# Altium PCB PCB1.PcbDoc (part 2 of 2)
Units mm, origin at the board's own origin, x right, y up, seen from the top; angles counter-clockwise.
Board outline 450.34 x 151.61 mm, 2 copper layers (Top Layer, Bottom Layer); 123 components, 109 nets, 481 pads, 178 vias.
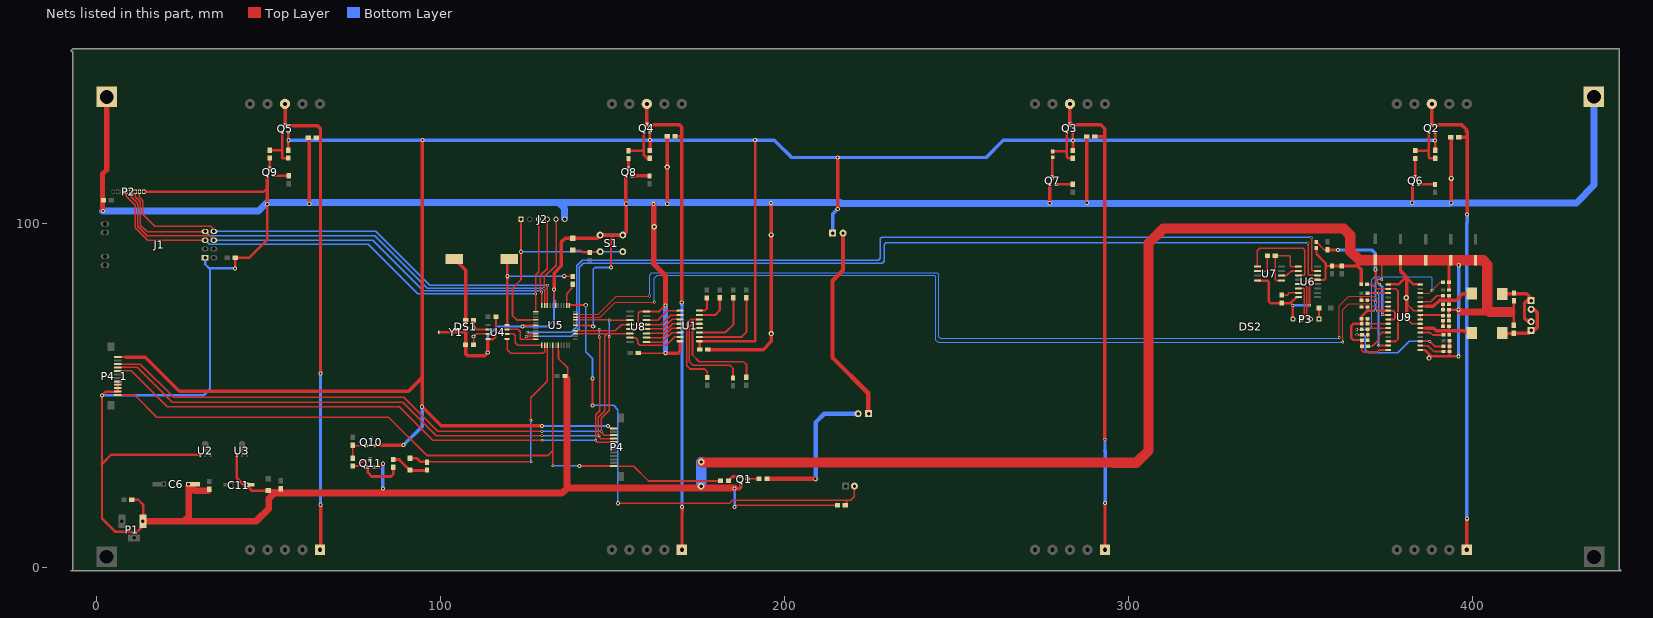
[diagram p2: the nets of this part, all layers, seen from the top]

## Via types
v1: diameter 1.2, hole 0.6, Top Layer to Bottom Layer, 71 vias
v2: diameter 0.8, hole 0.5, Top Layer to Bottom Layer, 52 vias
v3: diameter 1.27, hole 0.711, Top Layer to Bottom Layer, 37 vias
v4: diameter 1.5, hole 0.711, Top Layer to Bottom Layer, 8 vias
v5: diameter 2, hole 1, Top Layer to Bottom Layer, 6 vias
v6: diameter 0.8, hole 0.6, Top Layer to Bottom Layer, 4 vias

## Nets (pads, with @x,y where several pads share a name; then routed paths per layer and width w, separated by ;. In a path a pad name is that pad's centre, name@x,y a point inside that pad or via, vN(x,y) a via of type N, cw(c..) or ccw(c..) an arc to the next point about the centre after c; other vN are vias at no path point) (continued)
GND: BT1.2 C1.2 C2.1 C3.1 C4.1 C5.1 C6.2 C7.1 C8.1 C9.2 C10.1 C11.2 C12.1 C13.1 C14.2 C15.2 C17.2 C18.1 C19.2 C20.2 C21.2 C22.2 C23.2 C24.2 C25.2 C26.2 C27.2 C28.2 C29.1 C30.1 C31.2 C33.2 C35.1 C36.1 C37.2 C38.1 C39.1 C41.2 C42.2 C43.1 C44.1 C45.1 C46.1 C48.2 C49.1 J1.1 J2.6 P1.1 P2.8 P3.4 P4_1.2 P4_1.3 P4_1.4 P4_1.5 pad.0 pad.3 Q1.1 Q6.2 Q7.2 Q8.2 Q9.2 Q11.1 R22.1 R33.2 S1.2 U1.8 U2.1 U3.1 U4.4 U5.6 U5.18 U5.28 U5.39 U6.8 U6.13 U7.4 U8.8 U8.13 U9.1 U9.7 U9.9 U9.16 U9.17 U9.23 U9.26 U9.32 Y1.3 | length 2055
  Top Layer w0.4: 126.136,70.333 127.751,70.333 U5.6@127.764,70.32 ; 133.06,79.019 133.06,77.938 133.528,77.47 U5.39@133.528,76.073 ; 134.29,62.89 134.329,62.93 U5.18@134.329,64.554 ; U5.28@139.321,70.32 141.287,70.32 141.3,70.333 ; 185.979,18.009 R22.1@215.392,18.009
  Top Layer w0.5: C18.1@157.531,62.255 v1(165.43,62.255) ; C17.2@344.475,76.86 C17.2@344.678,76.86 ; C35.1@367.665,70.917 C35.1@367.69,70.891 ; C45.1@367.729,65.901 367.665,65.837 367.665,64.16 367.767,64.059 367.767,64.211 C46.1@367.741,64.237 ; C46.1@367.831,64.262 367.831,63.004 368.249,62.586 372.237,62.586 372.821,63.17 U9.16@375.436,63.17 ; 370.307,77.648 C38.1@369.353,77.648 371.119,77.648 v6(371.754,77.013) ; 373.532,88.141 373.558,88.115 ; v2(373.558,83.617) 373.558,88.115 ; 373.558,88.141 373.558,88.115 ; U9.9@375.387,72.06 377.088,72.06 377.393,72.365 377.393,74.143 376.936,74.6 U9.7@375.436,74.6 ; v4@380.771,72.314 382.295,70.79 U9.23@384.736,70.79 ; 380.873,76.53 382.803,74.6 U9.26@384.736,74.6 383.667,74.6 ; U9.17@384.736,63.17 386.182,63.17 386.448,62.903 ; 393.243,61.544 C43.1@393.243,62.738
  Top Layer w0.508: v1(123.916,69.977) 123.916,70.307 123.928,70.32 126.136,70.32 ; 133.06,79.019 v1(133.06,80.797) ; 134.329,62.93 134.329,60.706 137.022,58.014 137.022,56.109 137.047,56.083 137.047,55.677 ; 137.022,55.372 137.022,55.601 ; 141.287,70.32 144.158,70.32 v1(144.45,70.028) ; v1(149.606,87.173) 149.606,95.453 150.647,96.495 ; U8.13@155.092,69.317 157.124,69.317 157.531,69.723 157.531,73.812 158.09,74.371 U8.8@159.931,74.371 163.678,74.371 v1(165.43,76.124) ; v1@162.001,105.562 v1(162.001,105.642)
  Top Layer w0.6: U4.4@113.741,66.294 115.367,66.294 116.194,67.121 C22.2@116.194,72.796 ; Q1.1@187.3,24.409 Q1.1@187.3,24.663 ; v2@352.654,76.175 352.519,76.31 352.519,83.202 352.908,83.591 U6.13@354.914,83.591 ; U6.13@354.762,83.566 356.845,83.566 357.2,83.922 357.2,87.198 357.226,87.224 357.581,87.579 359.054,87.579 C14.2@359.105,87.579 ; C14.2@359.105,87.554 C14.2@359.232,87.554
  Top Layer w0.635: v1@113.844,62.319 113.857,62.332 113.857,62.371 v1@113.857,62.535
  Top Layer w0.7: 1.651,29.972 1.727,30.048 ; v1@2.159,103.556 v1@2.159,103.657 ; pad.0@2.979,136.837 pad.0@2.997,136.855 ; P4_1.2@6.274,51.232 6.299,51.257 P4_1.3@6.299,52.089 P4_1.4@6.299,53.089 P4_1.5@6.299,54.089 ; P4_1.2@6.299,51.089 2.88,51.089 v1(1.778,49.987) 1.727,49.936 1.727,30.048 ; C7.1@10.403,19.315 C7.1@10.403,19.66 12.243,19.66 13.741,18.161 P1.1@13.741,13.487 ; P1.1@13.437,13.487 P1.1@13.64,13.487 ; P1.1@13.64,13.716 P1.1@13.64,13.487 ; P1.1@13.665,12.903 13.665,13.411 P1.1@13.665,13.487 ; P1.1@13.741,13.233 13.741,13.411 P1.1@13.741,13.487 ; P1.1@13.843,13.487 P1.1@13.741,13.487 ; P2.8@13.894,109.144 48.666,109.144 49.657,110.134 ; C6.2@26.888,23.724 C6.2@26.888,24.155 C6.2@27.548,23.495 ; U2.1@30.239,32.717 4.396,32.717 1.727,30.048 ; C10.1@32.588,22.682 C10.1@32.918,22.682 ; v1(40.411,86.868) 40.411,89.992 C24.2@40.437,90.018 ; C24.2@40.411,90.018 40.462,90.068 C24.2@40.462,89.637 ; C24.2@40.538,89.916 44.475,89.916 49.722,95.163 v3(49.722,105.512) ; Y1.3@99.532,68.275 107.355,68.275 107.442,68.275 ; U7.4@337.425,83.312 340.335,83.312 340.716,82.931 340.716,77.343 341.274,76.784 C17.2@344.653,76.784 ; C17.2@344.272,76.886 C17.2@344.576,76.886 ; C17.2@344.526,76.784 C17.2@344.653,76.784 ; 347.167,76.733 v2@347.726,76.175 ; P3.4@347.726,72.136 v2@347.726,76.124 ; U6.8@349.326,78.511 348.818,78.511 347.091,76.784 C17.2@344.653,76.784 ; C29.1@354.584,92.825 354.584,91.034 357.226,88.392 357.226,87.224 357.226,86.97 ; C45.1@367.665,66.065 365.277,66.065 364.642,66.7 364.642,70.104 365.328,70.79 C35.1@367.716,70.79 ; R33.2@367.679,72.263 367.679,72.912 369.418,74.651 C39.1@369.418,75.794 ; C35.1@367.716,70.764 C35.1@367.716,70.79 ; R33.2@367.716,72.263 C35.1@367.716,70.79 ; C35.1@367.729,70.79 C35.1@367.716,70.79 ; 369.646,74.6 U9.7@375.436,74.6 373.101,74.6 ; U9.1@375.183,82.245 375.209,82.22 U9.1@375.436,82.22 378.46,82.22 380.187,83.947 380.187,84.633 ; 381.025,83.972 382.778,82.22 U9.32@384.736,82.22 ; C48.2@393.09,82.829 393.09,84.125 ; C44.1@411.963,70.333 C33.2@411.963,77.445 ; 1.727,30.048 1.727,14.199 5.512,10.414 12.04,10.414 13.64,12.014 13.64,13.411 P1.1@13.64,13.487 ; P1.1@13.64,13.487 P1.1@13.665,13.487 ; P1.1@13.665,13.487 P1.1@13.741,13.487
  Top Layer w0.762: C22.2@116.219,72.796 C22.2@116.219,72.949 ; v1(133.06,80.797) 133.071,80.808 v1@133.161,80.899 ; C20.2@138.063,95.656 138.089,95.682 C20.2@138.724,95.682
  Top Layer w0.8: U3.1@40.907,32.666 40.907,25.971 42.774,24.105 C11.2@43.637,24.105 ; C11.2@43.637,23.952 C11.2@43.637,24.105 ; C11.2@43.677,23.952 45.353,22.276 C9.2@49.682,22.276 ; C11.2@43.764,24.105 C11.2@43.637,24.105 ; C9.2@49.682,22.377 50.027,22.377 C8.1@53.38,22.377 ; 386.385,62.84 387.883,61.341 v1(395.834,61.341) ; C36.1@393.04,73.152 393.051,73.14 C36.1@393.051,73.089 ; C41.2@393.051,71.628 C36.1@393.051,73.089 ; C36.1@393.051,73.152 C37.2@393.051,74.879 v1(395.834,74.879) ; 393.077,84.848 C48.2@393.077,82.829 ; C36.1@393.116,73.025 C36.1@393.051,73.089 ; C31.2@393.116,80.543 393.077,80.582 C31.2@393.077,80.594 C48.2@393.077,82.829 ; C42.2@393.204,65.811 393.204,62.879 C43.1@393.268,62.814 ; C21.2@393.954,88.595 393.077,87.718 C48.2@393.077,82.829 ; v1(395.91,87.782) 395.961,87.833 v1@395.961,87.991 ; 410.921,74.168 411.277,74.168 411.861,74.752
  Top Layer w1: v3(49.722,105.512) Q9.2@49.722,113.741 ; C5.1@61.787,124.866 61.94,124.714 v3(61.94,105.639) ; Q11.1@80.837,29.21 82.539,29.21 v1@83.352,30.023 ; BT1.2@104.18,89.535 107.406,86.309 C12.1@107.406,71.831 ; C12.1@107.406,71.806 C12.1@107.406,71.831 ; v1(113.806,62.408) 113.806,65.851 ; v1@113.894,62.408 113.857,62.371 112.979,61.493 107.925,61.493 107.355,62.063 C13.1@107.355,64.719 107.355,68.275 107.355,71.78 C12.1@107.406,71.831 ; v1@133.071,80.721 133.071,80.808 133.071,85.522 135.153,87.605 135.153,94.539 136.271,95.656 138.063,95.656 C20.2@138.47,95.656 145.633,95.656 146.496,96.52 S1.2@153.024,96.52 ; 137.022,54.788 137.022,55.372 ; S1.2@153.126,96.571 153.989,97.434 v3(153.989,105.664) ; v3@153.964,105.689 Q8.2@153.964,113.792 ; v1(165.43,62.255) v1@165.557,62.255 ; v1@165.557,62.281 169.164,62.281 169.672,62.789 U1.8@169.672,65.405 ; v1(165.953,105.664) C4.1@165.953,125.247 ; v1@185.547,22.835 186.842,22.835 187.3,23.292 Q1.1@187.3,24.409 ; 188.341,63.297 C1.2@177.724,63.297 193.802,63.297 196.164,65.659 v1@196.164,105.791 ; v3@277.103,105.816 Q7.2@277.103,111.277 ; 287.847,106.68 C3.1@287.847,125.197 ; C3.1@287.898,125.07 C3.1@287.974,125.146 ; C14.2@359.029,87.605 C14.2@359.054,87.579 ; C14.2@359.105,87.579 C15.2@361.95,87.579 366.09,87.579 366.827,88.316 ; 366.598,87.554 367.602,86.55 C30.1@367.602,82.22 ; C28.2@378.993,89.205 378.993,86.131 380.771,84.353 v4@380.771,72.314 ; v3@382.488,106.045 Q6.2@382.488,111.277 ; C2.1@393.664,124.993 393.765,124.892 v3(393.765,105.918)
  Top Layer w1.27: C5.1@61.686,124.866 C5.1@61.787,124.866 ; C15.2@361.95,87.579 C15.2@362.052,87.579
  Top Layer w1.5: v1@1.905,103.657 1.905,114.351 3.113,115.559 pad.0@3.113,136.703 ; v1@162.027,105.562 162.027,88.113 165.43,84.709 v1(165.43,76.124)
  Top Layer w2: P1.1@13.629,13.411 13.64,13.411 13.665,13.411 13.741,13.411 25.578,13.411 ; C6.2@26.949,23.724 26.949,14.783 25.578,13.411 ; C6.2@27.548,23.495 28.767,22.276 C10.1@32.588,22.276 ; 135.331,21.641 118.008,21.641 51.816,21.641 50.19,20.015 50.19,17.145 46.457,13.411 25.578,13.411 ; 135.89,22.047 136.83,22.987 ; 136.83,54.788 136.83,23.098 v1@185.471,23.098 ; v1@396.062,74.701 396.57,74.193 404.978,74.193
  Top Layer w3: v5@176.124,30.505 295.478,30.505 ; 295.478,30.429 302.26,30.429 305.791,33.96 305.791,94.183 310.058,98.45 362.56,98.45 364.439,96.571 364.439,91.872 367.106,89.205 378.993,89.205 C27.2@386.385,89.205 C21.2@393.573,89.205 403.022,89.205 404.216,88.011 404.216,74.955 404.978,74.193 410.921,74.193
  Bottom Layer w0.5: v6(371.754,74.549) v6(371.754,77.013) 371.739,77.028 371.739,82.916 372.516,83.693 373.482,83.693 v2(373.558,83.617)
  Bottom Layer w0.508: v1(123.916,69.977) 131.155,69.977 133.06,71.882 v1(133.06,80.797) ; v1(144.45,70.028) 144.45,86.639 144.958,87.147 v1@149.606,87.147 ; v1(149.606,87.173) v1@149.606,87.147 ; v1@149.631,87.147 v1@149.606,87.147
  Bottom Layer w0.635: v1(113.806,62.408) 113.806,67.234 116.55,69.977 v1(123.916,69.977)
  Bottom Layer w0.7: v1(1.778,49.987) 31.191,49.987 33.122,51.918 33.122,86.69 33.096,86.716 ; J1.1@31.699,89.992 J1.1@31.725,89.967 ; J1.1@31.725,90.145 J1.1@31.725,89.967 ; J1.1@31.763,89.929 J1.1@31.75,89.941 ; J1.1@31.775,89.941 J1.1@31.75,89.941 ; 32.944,86.868 31.725,88.087 J1.1@31.725,89.941 ; 33.096,86.868 v1(40.411,86.868) ; v1(185.547,17.551) v1(185.547,22.936) ; v2(347.675,76.124) 352.654,76.124 v2@352.679,76.098 ; J1.1@31.725,89.941 J1.1@31.75,89.941 ; J1.1@31.725,89.941 J1.1@31.725,89.967 ; J1.1@31.725,89.967 J1.1@31.75,89.941
  Bottom Layer w0.8: v1(395.834,61.341) v1(395.834,74.879)
  Bottom Layer w1: v1(83.352,22.973) v1(83.352,30.124) ; J2.6@135.738,101.651 J2.6@136.246,101.143 ; J2.6@136.184,101.168 J2.6@136.227,101.125 ; S1.2@146.445,96.545 S1.2@153.049,96.545 ; S1.2@153.1,96.545 S1.2@153.151,96.495 ; v3@393.649,105.943 v3@393.74,105.943 ; v1@395.808,74.854 v1(395.834,74.879) 395.91,74.955 v1(395.91,87.782)
  Bottom Layer w1.5: v1(165.43,62.255) v1(165.43,76.124) v1@165.481,76.175
  Bottom Layer w2: v1@1.854,103.581 47.219,103.581 49.657,106.019 165.953,106.019 216.276,106.019 216.53,105.765 382.462,105.765 393.471,105.765 393.649,105.943 v3@393.649,105.893 ; 134.595,105.765 136.093,104.267 J2.6@136.093,101.371 ; v3(393.765,105.918) 430.073,105.918 435.254,111.1 pad.3@435.254,137.058
  Bottom Layer w3: v5@175.844,23.647 v5(175.844,30.632)
  other v1: 2.057,103.556 196.139,105.816
  other v2: 352.654,76.149
  other v3: 277.078,105.791 287.898,105.918 382.462,105.943
  other v4: 387.299,60.833 196.164,67.945 380.924,72.187 380.695,78.359 196.164,96.596 162.204,98.984 393.751,113.005 165.964,116.307
  other v5: 175.793,23.597
H595_DAT: P4.4 P4_1.9 U5.25 U8.14 | length 199.6
  Top Layer w0.4: P4_1.9@6.299,58.089 12.041,58.089 22.123,48.006 89.154,48.006 98.857,38.303 117.932,38.303 v2(129.565,38.303) ; U5.25@139.295,67.92 U8.14@155.131,67.92 ; v2@145.948,38.049 146.583,37.414 148.158,37.414 ; v2@145.948,38.278 145.948,43.663 147.767,45.481 ; v2@146.075,38.252 146.101,38.278 v2(146.177,38.278) ; 147.803,45.481 147.803,67.234 148.463,67.894 ; 148.158,37.411 P4.4@150.393,37.411 ; U8.14@155.245,67.92 U8.14@155.397,68.072
  Bottom Layer w0.4: v2(129.565,38.303) 146.152,38.303 v2(146.177,38.278)
H595_SCLK: P4.3 P4_1.10 U5.30 U8.11 | length 202.2
  Top Layer w0.4: P4_1.10@6.299,59.089 12.895,59.089 22.581,49.403 63.932,49.403 89.332,49.403 99.212,39.522 v2(129.54,39.522) ; U5.30@139.295,71.92 U5.30@139.319,71.92 ; U5.30@139.319,71.907 149.073,71.907 v2(149.123,71.857) v2@149.149,71.831 ; v2@149.098,67.056 v2(149.123,67.056) 149.123,45.593 149.047,45.593 146.787,43.332 146.787,39.243 147.65,38.379 P4.3@150.393,38.379 ; v2@149.123,71.831 v2@149.149,71.831 ; v2@149.174,71.806 v2@149.149,71.831 ; U8.11@155.131,71.831 v2@149.149,71.831
  Bottom Layer w0.4: v2(129.54,39.522) 146.837,39.522 v2(146.863,39.497) ; v2(149.123,67.056) v2(149.123,71.857)
H595_ST: P4.5 P4_1.8 U5.26 U8.12 | length 202.9
  Top Layer w0.4: P4_1.8@6.299,57.089 10.297,57.089 20.65,46.736 88.138,46.736 97.892,36.982 v2(129.642,36.982) ; U5.26@139.295,68.72 148.171,68.72 148.184,68.732 ; 146.177,68.758 v2(146.177,69.19) ; v2@146.253,66.929 v2(146.228,66.929) 146.348,66.808 146.348,45.51 145.212,44.374 v2(145.212,36.957) 145.212,36.881 145.669,36.424 P4.5@149.631,36.424 ; 147.98,68.732 148.184,68.732 ; P4.5@149.631,36.411 P4.5@150.393,36.411 ; U8.12@155.296,70.561 U8.12@155.131,70.561 152.679,70.561 150.851,68.732 148.184,68.732
  Bottom Layer w0.4: v2(129.642,36.982) 145.186,36.982 v2(145.212,36.957) ; v2(146.177,69.19) 146.177,66.98 v2(146.228,66.929)
IRQ: J1.8 P2.7 U5.42 | length 139.4
  Top Layer w0.4: P2.7@12.624,109.144 12.624,107.544 13.589,106.578 13.589,102.591 17.018,99.162 33.274,99.162 34.138,98.298 J1.8@34.138,97.511 ; U5.42@131.129,76.111 131.129,78.348 131.14,78.359 ; 131.166,78.359 v2(131.166,81.966)
  Bottom Layer w0.4: J1.8@34.239,97.612 81.305,97.612 97.003,81.915 131.115,81.915 v2(131.166,81.966)
MISO: J1.7 J2.5 P2.6 U5.43 | length 162.4
  Top Layer w0.4: P2.6@11.354,109.144 11.354,107.721 12.878,106.197 12.878,99.466 14.808,97.536 J1.7@31.725,97.536 ; v2@130.124,80.975 130.124,81.051 v2(130.15,81.026) ; v2@130.15,81.001 v2(130.15,81.026) ; v2@130.162,81.013 v2(130.15,81.026) ; v2@130.2,80.924 130.2,84.379 133.644,87.822 133.644,101.143 J2.5@133.644,101.168 J2.5@133.629,101.154 ; U5.43@130.327,75.997 U5.43@130.327,76.111 ; U5.43@130.329,76.454 U5.43@130.329,76.111 130.369,76.15 v2@130.369,80.807 ; J2.5@133.629,101.128 J2.5@133.629,101.154 ; J2.5@133.629,101.194 J2.5@133.629,101.154
  Top Layer w0.762: J2.5@133.618,101.117 133.629,101.128 133.644,101.143 J2.5@133.669,101.168
  Bottom Layer w0.4: J1.7@31.699,97.612 32.969,96.342 80.975,96.342 96.266,81.051 v2@130.15,81.051
MOSI: J1.6 J2.4 P2.5 U5.44 | length 162.9
  Top Layer w0.4: P2.5@10.084,109.144 10.084,107.798 12.059,105.823 12.059,99.143 14.884,96.317 33.02,96.317 J1.6@34.239,95.098 ; v2@129.464,79.985 v2@129.515,79.934 ; v2@129.476,79.997 v2@129.515,79.959 ; U5.44@129.515,76.327 v2@129.515,79.934 ; v2(129.515,80.035) v2@129.515,80.01 ; v2@129.54,79.934 v2@129.515,79.959 ; v2@129.54,79.985 v2@129.515,80.01 ; J2.4@131.089,101.168 J2.4@131.089,101.27 ; J2.4@131.104,101.168 131.104,86.806 129.134,84.836 129.134,80.391 129.502,80.023 v2@129.515,80.01 ; v2@129.515,79.934 v2@129.515,79.959 ; v2@129.515,79.959 v2@129.515,80.01
  Top Layer w0.762: J2.4@131.104,101.168 J2.4@131.104,101.219
  Bottom Layer w0.4: J1.6@34.239,94.564 J1.6@34.239,95.072 80.391,95.072 95.066,80.397 129.153,80.397 v2(129.515,80.035)
MUTE: C38.2 U5.32 U9.5 | length 275.7
  Top Layer w0.35: U5.32@139.295,73.52 145.935,73.52 151.206,78.791 160.731,78.791 v2(160.807,78.867) ; v2(361.239,66.827) 361.239,76.048 ; 361.264,76.048 361.264,76.073 363.957,78.765 370.129,78.765 ; 370.332,78.765 370.129,78.765 ; U9.5@375.39,77.185 U9.5@375.436,77.14 ; U9.5@375.514,77.14 U9.5@375.436,77.14 ; 370.129,78.765 371.373,78.765 372.999,77.14 U9.5@375.436,77.14
  Top Layer w0.4: C38.2@367.653,77.648 367.653,78.65
  Bottom Layer w0.35: v2@160.807,78.816 v2(160.807,78.867) 160.807,84.938 161.468,85.598 244.399,85.598 244.805,85.192 244.805,67.081 245.262,66.624 361.036,66.624 v2(361.239,66.827)
NetBT1_1: BT1.1 R26.2 U4.8 | length 38.8
  Top Layer w0.4: v1(136.042,84.607) 138.506,84.607 R26.2@138.532,84.582
  Top Layer w0.5: U4.8@119.445,70.409 119.445,70.434 119.445,70.688 ; BT1.1@120.029,89.636 120.106,89.713 BT1.1@120.106,89.84
  Top Layer w0.508: U4.8@119.394,70.383 U4.8@119.445,70.434
  Top Layer w0.762: 119.496,70.688 119.496,89.053 BT1.1@120.054,89.611
  Bottom Layer w0.4: v1(119.507,84.607) v1(136.042,84.607)
NetC2_2: C2.2 DS2.1 DS2.8 Q2.3 | length 140.3
  Top Layer w1: DS2.8@388.076,134.696 388.076,129.311 388.838,128.549 396.813,128.549 398.236,127.127 ; C2.2@395.899,124.943 397.982,124.943 ; 398.12,126.67 398.348,126.441 v1(398.348,102.489) ; v1(398.272,14.151) 398.261,14.162 398.261,14.122 398.286,14.097 DS2.1@398.286,5.08
  Bottom Layer w1: v1(398.272,14.151) 398.272,100.076 ; 398.297,100.076 398.348,100.127 v1(398.348,102.489)
NetC3_2: C3.2 DS2.11 DS2.18 Q3.3 | length 141.7
  Top Layer w1: DS2.18@282.967,134.671 282.967,129.34 283.656,128.651 287.847,128.651 ; 287.847,128.626 291.937,128.626 293.13,127.432 293.13,125.197 ; C3.2@290.133,125.197 293.13,125.197 ; DS2.11@293.091,5.182 DS2.11@293.127,5.218 ; DS2.11@293.127,5.131 DS2.11@293.127,5.218 ; v1(293.141,18.669) 293.141,5.232 DS2.11@293.127,5.218 ; v2(293.141,37.262) 293.13,37.273 293.13,104.724 293.13,125.197
  Bottom Layer w1: 293.116,33.934 293.141,33.96 v2(293.141,37.262) ; v1(293.141,18.669) 293.181,18.709 293.181,33.934
NetC4_2: C4.2 DS1.1 DS1.8 Q4.3 | length 141.4
  Top Layer w0.762: C4.2@168.239,125.247 169.915,125.247 169.94,125.273
  Top Layer w1: Q4.3@160.009,128.651 160.034,128.676 DS1.8@160.034,134.671 ; Q4.3@160.263,129.108 160.695,128.676 169.458,128.676 170.194,127.94 170.194,77.013 v1(170.169,76.987) ; DS1.1@170.169,5.004 170.245,5.08 170.245,16.053 ; v1(170.256,17.551) 170.256,16.078 170.282,16.053
  Bottom Layer w1: v1(170.169,76.987) 170.169,76.225 170.296,76.098 ; 170.245,76.098 170.245,17.435 170.256,17.446 v1(170.256,17.551)
NetC5_2: C5.2 DS1.11 DS1.18 Q5.3 | length 139.6
  Top Layer w1: DS1.18@54.878,134.849 54.929,134.798 54.929,129.159 ; Q5.3@55.031,128.727 55.463,128.295 64.353,128.295 65.216,127.432 65.216,57.125 ; DS1.11@64.999,4.877 65.227,5.105 v1(65.227,18.212) ; DS1.11@65.216,4.724 65.318,4.826 DS1.11@65.318,5.131 ; 65.227,57.125 65.253,57.099 v1(65.253,56.363)
  Bottom Layer w1: v1(65.227,18.212) 65.216,18.223 65.216,20.904 65.216,56.326 v1(65.253,56.363)
NetC12_2: C12.2 U4.2 Y1.2 | length 6.6
  Top Layer w0.508: C12.2@109.692,71.882 C12.2@109.717,71.857 ; Y1.2@109.717,69.647 Y1.2@109.717,69.698
  Top Layer w0.635: Y1.2@109.717,69.698 110.276,69.139 U4.2@113.857,69.139
  Top Layer w0.762: Y1.2@109.717,69.698 C12.2@109.717,71.857
NetC13_2: C13.2 U4.3 Y1.1 | length 6.9
  Top Layer w0.508: C13.2@109.666,64.77 109.717,64.821 Y1.1@109.717,67.031 ; Y1.1@109.692,67.005 Y1.1@109.717,67.031 ; Y1.1@109.717,67.107 Y1.1@109.717,67.031 ; U4.3@113.857,67.869 110.555,67.869 Y1.1@109.717,67.031
NetC16_1: C16.1 D4.2 R27.2 | length 11.2
  Top Layer w0.508: C16.1@96.077,28.27 C16.1@96.128,28.27
  Top Layer w0.762: R27.2@86.349,31.369 88.051,31.369 91.251,28.169 95.976,28.169 96.077,28.27 C16.1@96.103,28.296
NetC17_1: C17.1 U6.7 | length 5.2
  Top Layer w0.4: C17.1@344.5,79.121 346.075,79.121 346.735,79.781 U6.7@349.326,79.781 U6.7@349.402,79.781
NetC30_2: C30.2 U9.2 U9.14 | length 27.5
  Top Layer w0.508: C30.2@369.302,82.22 370.688,82.22 371.932,80.975 372.542,80.975 ; 373.101,80.975 372.542,80.975 ; U9.14@375.387,65.659 377.088,65.659 377.596,65.659 378.308,66.37 378.308,80.213 377.571,80.95 U9.2@375.436,80.95 ; U9.2@375.412,80.95 U9.2@375.436,80.95 ; 372.542,80.975 372.567,80.95 U9.2@375.436,80.95
NetC32_2: C32.2 U9.3 U9.15 | length 24.6
  Top Layer w0.508: C32.2@369.379,79.705 U9.3@375.488,79.705 ; v2(372.643,64.44) U9.15@375.436,64.44 U9.15@375.641,64.44 ; U9.3@375.436,79.68 375.539,79.68 U9.3@375.59,79.731
  Bottom Layer w0.508: v2(372.643,64.44) 372.643,74.135 372.662,74.154 372.662,79.712 v2(372.643,79.731)
NetC33_1: C33.1 L1.2 LS1.1 LS2.2 | length 18.5
  Top Layer w1: L1.2@408.589,79.453 412.091,79.453 412.067,79.477 415.671,79.477 416.865,78.283 LS1.1@416.865,77.572 ; LS1.1@416.865,77.495 LS1.1@416.865,77.572 ; LS2.2@416.941,71.399 416.077,71.399 415.036,72.441 415.036,76.733 415.874,77.572 LS1.1@416.865,77.572 ; LS1.1@416.992,77.572 LS1.1@416.865,77.572
NetC34_1: C34.1 L1.1 R32.1 U9.27 | length 19.5
  Top Layer w0.5: R32.1@393.051,76.403 393.051,77.673 ; 393.051,77.939 C34.1@393.051,78.904 ; C34.1@393.051,78.994 C34.1@393.051,78.904 ; C34.1@393.09,78.943 C34.1@393.051,78.904 ; L1.1@399.263,79.502 L1.1@399.669,79.502
  Top Layer w0.7: U9.27@384.736,75.87 386.537,75.87 ; 398.043,79.477 398.069,79.502 L1.1@399.263,79.502
  Top Layer w1: 386.537,75.87 388.544,75.87 390.347,77.673 393.051,77.673 395.275,77.673 397.078,79.477 398.043,79.477 L1.1@398.678,79.477 ; L1.1@399.669,79.553 L1.1@399.689,79.553
NetC34_2: C34.2 U9.28 | length 7.4
  Top Layer w0.4: U9.28@384.736,77.14 387.756,77.14 389.585,78.969 C34.2@391.338,78.969
NetC35_2: C35.2 R33.1 U9.10 | length 7.5
  Top Layer w0.5: C35.2@369.367,70.841 369.379,70.852 C35.2@369.379,71.03 ; C35.2@369.367,71.018 C35.2@369.379,71.03 ; R33.1@369.379,72.263 C35.2@369.379,71.03 ; C35.2@369.404,71.056 C35.2@369.379,71.03 ; C35.2@369.443,70.79 U9.10@375.436,70.79
NetC36_2: C36.2 U9.24 U9.25 | length 8.3
  Top Layer w0.5: U9.25@384.683,73.33 U9.25@384.736,73.33 391.338,73.33 C36.2@391.465,73.203 ; U9.25@384.708,73.254 U9.25@384.746,73.215 ; U9.24@384.736,72.06 384.736,73.205 U9.25@384.746,73.215 ; U9.25@384.81,73.152 U9.25@384.746,73.215 ; U9.25@384.835,73.304 U9.25@384.746,73.215
NetC37_1: C37.1 R32.2 | length 1.5
  Top Layer w0.5: R32.2@391.351,76.403 391.351,74.942 C37.1@391.414,74.879
NetC40_1: C40.1 L2.1 R34.1 U9.22 | length 18.6
  Top Layer w0.7: U9.22@384.736,69.52 386.258,69.52 ; C40.1@393.077,67.628 393.116,67.589 C40.1@393.116,67.412 ; R34.1@393.077,70.079 393.077,68.809 393.077,67.679 C40.1@393.116,67.64
  Top Layer w1: 386.258,69.52 388.62,69.52 389.331,68.809 393.077,68.809 397.485,68.809 398.145,68.148 398.297,67.996 L2.1@399.974,67.996
NetC40_2: C40.2 U9.21 | length 7.1
  Top Layer w0.5: U9.21@384.736,68.25 387.68,68.25 388.391,67.539 C40.2@391.478,67.539 C40.2@391.541,67.539
NetC41_1: C41.1 R34.2 | length 1.5
  Top Layer w0.5: R34.2@391.287,70.18 391.351,70.245 C41.1@391.351,71.628
NetC43_2: C43.2 U9.18 | length 7.5
  Top Layer w0.5: U9.18@384.736,64.44 386.944,64.44 388.645,62.738 C43.2@391.504,62.738 C43.2@391.516,62.738
NetC44_2: C44.2 L2.2 LS1.2 LS2.1 | length 17.7
  Top Layer w1: L2.2@408.589,68.048 408.666,67.97 412.14,67.97 412.267,68.097 416.255,68.097 LS2.1@417.017,68.859 ; LS2.1@416.814,68.859 LS2.1@416.941,68.859 LS2.1@417.017,68.859 ; LS1.2@416.941,74.981 417.855,74.981 418.795,74.041 418.795,69.85 417.805,68.859 LS2.1@417.017,68.859 ; LS2.1@417.043,68.885 LS2.1@417.017,68.859
NetC45_2: C45.2 R30.1 R31.1 U9.11 | length 9.6
  Top Layer w0.5: C45.2@369.418,65.913 369.48,65.976 C45.2@369.48,66.04 ; R30.1@369.455,69.139 369.455,67.603 R31.1@369.48,67.578 ; C45.2@369.468,66.04 C45.2@369.48,66.04 ; R30.1@369.468,69.113 369.824,69.113 370.23,69.52 U9.11@375.436,69.52 U9.11@375.412,69.52 ; R31.1@369.48,67.589 R31.1@369.48,67.578 ; R31.1@369.57,67.488 R31.1@369.48,67.578 ; C45.2@369.48,66.04 R31.1@369.48,67.578
  Top Layer w0.7: C45.2@369.468,65.938 C45.2@369.506,65.938
NetC46_2: C46.2 U9.12 | length 8.8
  Top Layer w0.508: C46.2@369.418,64.262 C46.2@369.531,64.262 370.815,64.262 371.805,65.253 ; 371.78,65.253 372.821,66.294 372.821,67.488 373.583,68.25 U9.12@375.436,68.25 U9.12@375.183,68.25 ; U9.12@375.336,68.275 U9.12@375.463,68.275
NetC48_1: C48.1 R30.2 U9.30 | length 49.4
  Top Layer w0.35: v6(366.268,69.139) R30.2@367.755,69.139 ; U9.30@384.736,79.629 387.375,79.629 390.576,82.829 C48.1@391.377,82.829
  Bottom Layer w0.35: v6(366.268,69.139) 369.697,69.139 370.662,70.104 370.662,82.144 ; 370.637,82.093 370.637,83.541 371.551,84.455 387.858,84.455 388.188,84.125 v2(388.188,80.543)
NetC49_2: C49.2 R31.2 U9.19 | length 35.9
  Top Layer w0.5: v6(366.344,67.589) R31.2@367.78,67.589 ; U9.19@384.736,65.71 387.477,65.71 388.976,64.211 C49.2@391.516,64.211
  Bottom Layer w0.4: v6(366.344,67.589) 368.376,67.589 368.783,67.183 368.783,63.17 369.57,62.382 370.383,62.382 370.535,62.382 378.257,62.382 381.533,65.659 v2@387.452,65.659
  Bottom Layer w0.5: v2@387.528,65.583 v2(387.528,65.634)
NetD1_1: D1.1 D2.2 | length 58.9
  Top Layer w1.27: D2.2@217.032,97.104 D2.2@217.032,97.13 217.032,86.324 213.97,83.261 213.97,60.96 224.358,50.571 ; D1.1@224.155,45.034 D1.1@224.384,44.806 ; D1.1@224.384,44.679 D1.1@224.384,44.806 ; 224.384,50.698 D1.1@224.384,44.806 ; D1.1@224.449,44.475 D1.1@224.449,44.653 ; D1.1@224.511,44.679 D1.1@224.384,44.806
  Bottom Layer w1.27: D1.1@224.449,44.653 224.474,44.679 D1.1@224.474,44.628
NetD1_2: D1.2 R1.1 | length 44.2
  Top Layer w1.27: R1.1@194.92,25.806 208.966,25.806 v3@209.144,25.629
  Bottom Layer w1.27: v3@209.067,25.933 209.067,42.139 211.582,44.653 D1.2@221.386,44.653 ; v3@209.144,25.629 v3@209.258,25.743 ; D1.2@221.386,44.806 D1.2@221.386,44.653 ; D1.2@221.401,44.653 D1.2@221.386,44.653
  other v3: 209.017,25.705
NetD5_1: D5.1 P3.1 | length 3.2
  Top Layer w0.7: D5.1@355.321,75.336 355.321,72.161 P3.1@355.346,72.136
NetQ1_2: Q1.2 R2.2 | length 4.1
  Top Layer w0.762: R2.2@183.744,25.171 184.988,26.416 Q1.2@187.325,26.416
NetQ1_3: Q1.3 R1.2 | length 3.3
  Top Layer w0.508: Q1.3@189.332,25.73 192.532,25.73 R1.2@192.583,25.781
NetQ2_1: Q2.1 R7.2 R12.1 | length 13.5
  Top Layer w0.762: R12.1@383.097,121.107 383.123,121.082 387.212,121.082 ; Q2.1@387.212,126.517 387.212,121.082 ; R7.2@389.041,118.847 387.491,118.847 387.212,119.126 387.212,121.082
NetQ3_1: Q3.1 R8.2 R13.1 | length 14.7
  Top Layer w0.5: 282.742,118.872 282.767,118.847 R8.2@283.783,118.847 ; R8.2@283.783,118.821 R8.2@283.834,118.821
  Top Layer w0.762: R13.1@277.763,121.031 277.916,120.879 282.031,120.879 ; Q3.1@282.031,126.619 282.031,120.879 ; 282.361,119.024 282.539,118.847 282.767,118.847 ; 282.373,119.037 282.031,119.38 282.031,120.879 ; 282.742,118.872 R8.2@283.834,118.872
NetQ4_1: Q4.1 R10.2 R15.1 | length 13.5
  Top Layer w0.5: R15.1@154.675,121.234 R15.1@154.7,121.234
  Top Layer w0.762: R15.1@154.7,121.056 159.044,121.056 ; Q4.1@159.145,126.568 159.145,119.761 160.136,118.77 160.974,118.77 R10.2@161,118.745
NetQ5_1: Q5.1 R11.2 R16.1 | length 15.7
  Top Layer w0.6: R16.1@50.433,121.336 R16.1@50.484,121.285 ; R16.1@50.459,121.209 52.948,121.209 ; Q5.1@54.091,126.39 Q5.1@54.091,126.441 ; R11.2@55.869,118.923 R11.2@56.021,118.923
  Top Layer w0.762: R16.1@50.383,121.234 54.04,121.234 54.091,121.285 ; Q5.1@54.066,126.416 54.091,126.39 54.091,121.285 ; R11.2@55.869,118.923 54.294,118.923 54.091,119.126 54.091,121.285
NetQ6_1: Q6.1 R18.1 | length 5
  Top Layer w0.5: R18.1@388.939,111.277 389.092,111.277 R18.1@389.142,111.227
  Top Layer w0.762: Q6.1@384.266,111.277 388.939,111.277 R18.1@389.015,111.201
NetQ6_3: Q6.3 R12.2 | length 5.7
  Top Layer w0.5: Q6.3@383.224,113.259 Q6.3@383.237,113.271
  Top Layer w0.762: Q6.3@383.275,113.182 R12.2@383.275,118.821
NetQ7_1: Q7.1 R19.1 | length 5
  Top Layer w0.5: R19.1@283.72,111.239 R19.1@283.758,111.201
  Top Layer w0.762: Q7.1@278.856,111.201 278.957,111.303 R19.1@283.783,111.303
NetQ7_3: Q7.3 R13.2 | length 5.6
  Top Layer w0.762: Q7.3@277.789,113.132 277.84,113.182 R13.2@277.84,118.72
NetQ8_1: Q8.1 R20.1 | length 5.1
  Top Layer w0.5: R20.1@160.746,113.767 R20.1@160.771,113.792
  Top Layer w1: Q8.1@155.742,113.792 160.771,113.792 R20.1@160.822,113.843
NetQ8_3: Q8.3 R15.2 | length 3
  Top Layer w1: Q8.3@154.675,115.799 154.7,115.824 R15.2@154.7,118.77
NetQ9_1: Q9.1 R21.1 | length 4.6
  Top Layer w0.6: R21.1@55.996,113.817 R21.1@56.072,113.817
  Top Layer w0.762: Q9.1@51.551,113.817 55.996,113.817 R21.1@56.021,113.792
NetQ9_3: Q9.3 R16.2 | length 3.4
  Top Layer w0.6: Q9.3@50.433,115.672 50.459,115.697 Q9.3@50.459,115.976
  Top Layer w0.762: Q9.3@50.383,115.9 50.459,115.976 R16.2@50.459,118.923
NetQ10_1: Q10.1 R23.1 R25.2 | length 8.2
  Top Layer w0.508: R23.1@74.538,35.357 74.563,35.382 Q10.1@79.135,35.382 ; R25.2@74.563,31.75 R23.1@74.563,35.357
NetQ11_2: Q11.2 R27.1 | length 14.1
  Top Layer w0.508: 86.298,27.127 86.324,27.153 R27.1@86.324,29.235
  Top Layer w0.762: Q11.2@78.958,29.261 78.958,27.508 80.05,26.416 85.689,26.416 86.298,27.026 86.298,27.127 R27.1@86.298,29.185
NetQ11_3: Q11.3 R25.1 | length 5.8
  Top Layer w0.508: R25.1@74.563,29.464 76.265,29.464 78.069,31.267 Q11.3@79.643,31.267
NetR3_2: R3.2 U1.10 | length 24.1
  Top Layer w0.6: U1.10@175.489,66.98 187.604,66.98 188.965,68.34 R3.2@188.965,78.334 ; R3.2@188.914,78.334 R3.2@188.914,78.384
NetR4_2: R4.2 U1.11 | length 18.7
  Top Layer w0.6: U1.11@175.235,68.25 U1.11@175.285,68.25 182.855,68.25 185.155,70.55 R4.2@185.155,78.334
NetR5_2: R5.2 U1.12 | length 30
  Top Layer w0.5: U1.12@175.285,69.52 174.168,69.52 173.304,68.656 173.304,61.722 175.235,59.792 178.892,59.792 ; 178.892,59.741 181.94,59.741 ; 181.94,59.766 188.101,59.766 189.016,58.852 R5.2@189.016,55.143 ; R5.2@189.092,55.093 R5.2@189.092,55.245
NetR6_2: R6.2 U1.13 | length 29.9
  Top Layer w0.5: U1.13@175.285,70.79 173.228,70.79 172.364,69.926 172.364,59.817 173.457,58.725 174.777,58.725 175.031,58.725 184.048,58.725 ; 184.048,58.75 184.088,58.75 185.053,57.785 R6.2@185.053,55.067 ; R6.2@185.053,54.94 R6.2@185.053,55.067 ; R6.2@185.053,54.966 R6.2@185.053,55.067
NetR9_2: R9.2 U1.14 | length 25
  Top Layer w0.5: U1.14@175.285,72.06 172.923,72.06 171.61,70.747 171.61,58.615 172.593,57.633 176.86,57.633 177.622,56.871 R9.2@177.622,55.22 ; R9.2@177.56,54.991 R9.2@177.56,55.194 R9.2@177.56,55.22
NetR14_2: R14.2 U1.15 | length 10.1
  Top Layer w0.6: U1.15@175.412,73.33 179.883,73.33 181.218,74.665 R14.2@181.218,78.435
NetR17_2: R17.2 U1.16 | length 5.7
  Top Layer w0.6: U1.16@175.285,74.6 176.886,74.6 177.47,75.184 177.47,75.463 ; 177.459,75.463 R17.2@177.459,78.283 R17.2@177.459,78.435
NetU1_1: U1.1 U8.6 | length 10.8
  Top Layer w0.4: U8.6@159.931,71.831 163.17,71.831 165.913,74.574 U1.1@169.545,74.574
NetU1_2: U1.2 U8.5 | length 10.8
  Top Layer w0.4: U8.5@160.071,70.51 164.186,70.51 167.005,73.33 U1.2@169.697,73.33
NetU1_3: U1.3 U8.4 | length 10.9
  Top Layer w0.4: U8.4@159.931,69.291 164.592,69.291 167.361,72.06 U1.3@169.647,72.06
NetU1_4: U1.4 U8.3 | length 10.7
  Top Layer w0.4: U8.3@160.172,67.97 164.719,67.97 167.538,70.79 U1.4@169.697,70.79
NetU1_5: U1.5 U8.2 | length 11
  Top Layer w0.4: U8.2@159.931,66.751 164.465,66.751 167.234,69.52 U1.5@169.697,69.52 U1.5@169.774,69.52
NetU1_6: U1.6 U8.1 | length 10.9
  Top Layer w0.4: U8.1@159.969,65.481 164.541,65.481 167.31,68.25 U1.6@169.697,68.25
NetU1_7: U1.7 U8.15 | length 17
  Top Layer w0.4: U8.15@155.143,66.751 156.769,66.751 157.455,66.065 157.455,65.126 158.039,64.541 165.684,64.541 168.123,66.98 U1.7@169.697,66.98
OPT: D3.2 R22.2 U5.34 | length 143.8
  Top Layer w0.4: v1(151.663,18.644) 183.337,18.644 183.363,18.669 ; 183.083,18.669 183.363,18.669 ; D3.2@220.359,23.622 220.359,21.387 220.359,20.512 219.329,19.482 218.073,19.482 184.912,19.482 184.099,18.669 183.363,18.669
  Top Layer w0.508: U5.34@137.657,76.175 137.708,76.225 v3(142.305,76.225) ; v1@144.196,47.066 v1(144.221,47.092) v1(144.221,54.864)
  Top Layer w0.635: R22.2@218.073,18.593 218.073,19.482 ; D3.2@220.359,23.622 D3.2@220.359,23.698 ; D3.2@220.41,23.622 D3.2@220.41,23.724
  Top Layer w0.762: D3.2@220.461,23.622 D3.2@220.461,23.647
  Bottom Layer w0.4: v1(144.221,47.092) 150.393,47.092 151.613,45.872 151.613,19.71 151.613,18.593 v1(151.663,18.644)
  Bottom Layer w0.508: v3(142.305,76.225) 142.305,62.673 144.221,60.757 v1(144.221,54.864)
PW0: C16.2 D4.1 U5.14 | length 71.5
  Top Layer w0.4: C16.2@96.012,30.607 96.114,30.709 v2(126.416,30.709) ; v2(126.34,42.774) 126.34,49.327 131.129,54.117 U5.14@131.129,64.554
  Top Layer w0.762: D4.1@91.226,31.699 93.218,31.699 94.259,30.658 C16.2@96.012,30.658
  Bottom Layer w0.4: v2(126.34,42.774) 126.34,30.785 v2(126.416,30.709)
PWM: C1.1 D2.1 P4.1 P4_1.12 Q2.2 Q3.2 Q4.2 Q5.2 Q10.2 R7.1 R8.1 R10.1 R11.1 U1.9 | length 713.6
  Top Layer w0.5: Q2.2@388.99,126.441 Q2.2@388.99,126.517
  Top Layer w0.6: P4_1.12@6.299,61.089 8.56,61.089 ; 94.564,58.318 94.793,58.547 ; v1@129.489,41.123 v1(129.591,41.123) ; v1(148.793,41.097) 149.479,40.411 P4.1@150.393,40.411
  Top Layer w0.7: U1.9@175.285,65.71 191.541,65.71 191.541,124.181 v1(191.516,124.206) ; U1.9@175.362,65.583 175.438,65.507 C1.1@175.438,63.297
  Top Layer w0.762: R11.1@55.869,121.209 Q5.2@55.869,126.441 ; v1@160.923,124.13 Q4.2@160.923,126.568 ; R8.1@283.783,120.98 R8.1@283.859,121.056 ; v1@283.783,124.079 Q3.2@283.783,126.619 ; Q3.2@283.783,126.746 Q3.2@283.809,126.771 ; R8.1@283.859,121.133 v1(283.859,124.079) ; Q2.2@388.939,126.492 388.99,126.441 389.066,126.365 R7.1@389.066,121.183
  Top Layer w1: 8.56,61.089 12.725,61.089 ; 12.725,61.087 14.275,61.087 24.181,51.181 37.008,51.181 90.78,51.181 94.717,55.118 94.717,58.166 ; Q10.2@80.913,35.382 Q10.2@81.066,35.535 ; Q10.2@81.026,35.535 Q10.2@81.066,35.535 ; v1(89.383,35.535) Q10.2@81.066,35.535 ; v1(94.742,46.685) 100.279,41.148 129.464,41.148 v1@129.489,41.123 ; v1@94.807,46.685 v1(94.807,124.13) ; R10.1@160.96,121.082 160.974,121.096 160.974,121.158 v1(160.974,124.13) ; v1@215.483,104.191 v1(215.483,119.101)
  Bottom Layer w0.6: v1@129.616,41.097 v1(148.793,41.097)
  Bottom Layer w1: v1@55.971,124.13 v1(94.807,124.13) v1(160.974,124.13) 197.104,124.13 202.133,119.101 v1(215.483,119.101) ; v1@89.383,35.585 94.742,40.945 v1(94.742,46.685) ; D2.1@213.984,97.13 213.984,102.641 v1(215.508,104.165) ; v1@215.508,119.101 258.623,119.101 263.576,124.054 ; 263.576,124.079 v1(283.859,124.079) ; v1@283.885,124.054 v1(388.965,124.054)
  other v1: 55.945,124.104
RES: C20.1 J2.1 R29.2 S1.1 U5.4 | length 74.4
  Top Layer w0.4: 126.162,71.933 126.175,71.92 U5.4@127.764,71.92
  Top Layer w0.508: 122.225,71.933 121.006,73.152 121.006,81.128 123.484,83.606 123.484,97.496 J2.1@123.484,101.168 ; 122.245,71.953 122.278,71.92 126.175,71.92 ; C20.1@138.405,92.126 140.792,92.126 141.427,91.491 R29.2@143.448,91.491 ; R29.2@143.434,91.719 143.459,91.745 S1.1@146.445,91.745 ; R29.2@143.689,91.732 R29.2@143.753,91.669
  Bottom Layer w0.508: v1(123.444,91.719) 123.469,91.745 128.513,91.745 S1.1@146.445,91.745 S1.1@153.049,91.745 S1.1@153.111,91.745
RTC_ADC: R26.1 U5.35 | length 6.9
  Top Layer w0.4: U5.35@136.73,76.111 136.73,79.58 138.43,81.28 R26.1@138.43,82.321
RTC_IO: U4.6 U5.12 | length 12.6
  Top Layer w0.4: U4.6@119.445,67.869 121.183,67.869 121.793,67.259 121.793,65.278 122.555,64.516 123.444,64.516 123.647,64.516 U5.12@129.489,64.516
RTC_RST: U4.5 U5.13 | length 16.6
  Top Layer w0.4: U4.5@119.445,66.345 119.445,63.257 120.523,62.179 129.718,62.179 ; 129.718,62.154 129.819,62.154 130.327,62.662 130.327,64.567 U5.13@130.302,64.592
RTC_SCLK: U4.7 U5.11 | length 10.7
  Top Layer w0.4: U4.7@119.445,69.139 122.504,69.139 123.19,68.453 123.19,66.472 ; 123.215,66.497 123.46,66.253 125.994,66.253 126.061,66.32 U5.11@127.764,66.32
RX: U5.9 U6.15 | length 266.7
  Top Layer w0.4: v2(125.451,68.301) 125.832,67.92 U5.9@127.711,67.92 ; v2(353.162,95.885) 353.162,86.36 353.39,86.131 U6.15@354.914,86.131 U6.15@354.99,86.131
  Bottom Layer w0.4: v2@125.4,68.301 v2(125.451,68.301) 138.024,68.301 139.624,69.901 139.624,87.655 141.199,89.23 166.599,89.23 ; 166.599,89.256 227.305,89.256 227.863,89.814 227.863,95.428 228.321,95.885 v2(353.162,95.885)
SCK: J1.5 J2.3 P2.4 U5.1 | length 162.9
  Top Layer w0.4: P2.4@8.814,109.144 8.814,107.848 11.405,105.258 11.405,98.704 15.011,95.098 J1.5@31.648,95.098 ; v2@127.66,79.451 v2(127.686,79.477) U5.1@127.686,74.422 ; v2@127.711,79.477 127.711,85.039 128.564,85.892 J2.3@128.564,101.168
  Bottom Layer w0.4: J1.5@31.699,95.072 32.903,93.868 35.004,93.868 35.014,93.878 79.07,93.878 93.472,79.477 123.266,79.477 ; 123.292,79.502 123.266,79.477 ; v2(127.686,79.477) 123.266,79.477
SEC_FLASH: P4.12 P4_1.1 R2.1 U5.16 | length 220
  Top Layer w0.4: v2(132.715,29.515) 132.715,33.909 132.715,34.493 ; 132.729,34.493 U5.16@132.729,64.554
  Top Layer w0.5: P4_1.1@6.299,50.089 11.227,50.089 17.653,43.663 84.963,43.663 96.088,32.537 131.343,32.537 132.715,33.909 ; v1(140.437,29.464) P4.12@150.393,29.464 ; P4.12@150.393,29.411 156.237,29.411 160.528,25.121 181.026,25.121 R2.1@181.559,25.121
  Bottom Layer w0.4: v2(132.715,29.515) 140.386,29.515 v1(140.437,29.464) v1@140.462,29.439
SHD: C39.2 U5.31 U9.6 | length 285.3
  Top Layer w0.3: U5.31@139.395,72.695 146.507,72.695 150.851,77.038 162.204,77.038 v2@162.255,76.987 ; 362.179,66.675 362.204,66.65 ; v2(362.204,65.456) 362.204,66.65 ; 373.786,75.87 U9.6@375.436,75.87 370.916,75.87 370.205,76.581 363.931,76.581 362.204,74.854 362.204,66.65
  Top Layer w0.35: C39.2@367.679,75.667 367.679,76.542
  Bottom Layer w0.3: v2(162.179,77.114) 162.179,83.998 163.043,84.861 163.119,84.861 ; v2@162.204,76.937 162.204,83.947 163.119,84.861 ; 163.093,84.861 163.119,84.861 ; 263.068,65.43 244.653,65.43 244.043,66.04 244.043,84.379 243.561,84.861 165.252,84.861 163.119,84.861 ; 263.068,65.456 v2(362.204,65.456)
SPI_CS: U6.3 U7.1 | length 28
  Top Layer w0.4: U7.1@337.425,87.376 337.425,92.035 338.074,92.685 350.723,92.685 351.206,92.202 ; U6.3@349.326,84.861 350.85,84.861 351.206,85.217 351.206,92.202 ; 351.206,92.253 351.206,92.202
SPI_DIO: R24.2 U6.1 U7.5 | length 18.5
  Top Layer w0.4: U7.5@344.413,83.312 U7.5@344.5,83.312 ; U7.5@344.526,83.337 343.002,83.337 342.646,83.693 R24.2@342.646,90.576 346.634,90.576 346.964,90.246 346.964,87.655 347.218,87.401 U6.1@349.326,87.401 U6.1@349.352,87.376
SPI_DO: R24.1 U7.2 | length 7.3
  Top Layer w0.4: U7.2@337.425,86.106 340.004,86.106 340.335,86.436 R24.1@340.335,90.449 ; R24.1@340.36,90.576 R24.1@340.411,90.526
  Top Layer w0.508: R24.1@340.182,90.627 R24.1@340.296,90.513
SPI_SCK: U6.2 U7.6 | length 5.6
  Top Layer w0.508: U7.6@344.413,84.836 345.973,84.836 347.269,86.131 U6.2@349.326,86.131 U6.2@349.504,86.131
TX: U5.10 U6.14 | length 266.5
  Top Layer w0.4: v2(124.993,67.107) U5.10@127.889,67.107 ; v2(352.146,94.285) 352.146,85.192 352.501,84.836 U6.14@354.736,84.836
  Top Layer w0.508: U6.14@354.736,84.861 U6.14@354.914,84.861
  Bottom Layer w0.4: v2(124.993,67.107) 138.125,67.107 140.411,69.393 140.411,87.198 141.605,88.392 228.448,88.392 229.006,88.951 ; 228.994,88.963 229.032,89.002 229.032,93.777 229.514,94.259 352.12,94.259 v2(352.146,94.285)
USB_DM: P3.2 U6.5 | length 13.1
  Top Layer w0.4: U6.5@349.326,82.321 350.977,82.321 351.765,81.534 351.765,72.923 352.501,72.187 P3.2@352.806,72.187
  Top Layer w0.508: U6.5@349.199,82.321 U6.5@349.326,82.321 ; P3.2@352.806,72.136 352.806,72.187 352.806,72.238 352.831,72.212 P3.2@352.882,72.161
USB_DP: P3.3 U6.6 | length 11
  Top Layer w0.4: U6.6@349.326,81.051 350.799,81.051 351.079,80.772 351.079,73 P3.3@350.215,72.136
  Top Layer w0.508: P3.3@350.241,72.06 P3.3@350.291,72.111 ; P3.3@350.291,72.136 P3.3@350.291,72.111 ; P3.3@350.317,72.085 350.291,72.06 P3.3@350.291,72.111
VPA: C29.2 R28.2 U9.8 | length 39.5
  Top Layer w0.508: C29.2@354.584,94.525 354.652,94.525 355.592,93.586 355.592,93.517 356.882,92.227 R28.2@357.835,92.227
  Top Layer w0.7: v1(371.754,86.538) 371.754,83.439 v2(372.948,82.245) ; v2(373.685,73.457) 373.812,73.33 U9.8@375.436,73.33 U9.8@375.996,73.33
  Top Layer w1: R28.2@357.81,92.304 357.886,92.227 v1(360.883,92.227)
  Bottom Layer w0.7: v2(372.948,82.245) 373.685,81.509 v2(373.685,73.457)
  Bottom Layer w1: v1(360.883,92.227) 370.637,92.227 371.627,91.237 v1@371.627,86.639 ; v1@371.627,86.538 v1(371.754,86.538)
pads on no net: DS1.5 DS1.15 DS2.5 DS2.15 J1.0 P1.3 P4.0 P4_1.0 U5.7 U5.8 U5.15 U5.36 U5.37 U5.40 U5.41 U6.16 U8.7 U8.9 U9.4 U9.13 U9.31

## Polygon pours and split planes (outlines as drawn)
GND on Bottom Layer "Top Layer-No Net" (solid, remove dead copper): 67.742,139.776 438.277,139.776 438.277,-0.025 438.226,0.025 68.021,0.025 68.021,139.776
GND on Top Layer "Top Layer-No Net" (solid, remove dead copper): 9.652,20.295 9.652,10.109 9.703,10.16 13.208,10.16 13.233,10.135 13.233,0.025 13.284,0.076 42.926,0.076 42.926,12.395 43.028,12.497 46.863,12.497 46.863,12.548 51.181,16.866 54.331,20.015 54.331,23.673 54.305,23.698 47.879,23.698 46.939,23.698 46.101,24.536 43.231,24.536 42.545,23.851 42.545,22.708 34.468,22.708 33.655,23.52 30.785,23.52 30.302,24.003 30.277,24.028 30.277,24.867 30.251,24.841 26.111,24.841 26.086,24.841

## Keep-outs
Keep-Out Layer:
  circle w0.1: c219.092,125.303 r2.5
  circle w0.1: c219.123,70.833 r2.5
  lines w0.1: 0.04,139.776 0.025,0.025 438.226,0.076 ; 0.051,139.776 164.389,139.776 273.685,139.776 438.252,139.776 438.252,123.8 ; 438.252,0.076 438.252,37.389 ; 438.252,37.414 438.252,123.774

## Silkscreen, mask and mechanical layers (free items; w line width, h text height)
Top Overlay:
  circle w0.05: c219.115,82.779 r0.163
  lines w0.1: 0.014,-0.152 9.412,-0.152 ; 438.226,0.076 438.277,0.127
  lines w3: 44.464,134.442 64.911,134.442 ; 44.718,4.902 64.911,4.902 ; 150.128,134.569 169.813,134.569 ; 150.382,5.537 170.194,5.537 ; 273.547,134.823 292.724,134.823 ; 273.801,4.648 293.867,4.648 ; 378.83,134.569 398.896,134.569 ; 378.957,5.029 398.261,5.029
  text "广东松山职业技术学院" at 302.717,117.45 h7
  text "电子创新设计实验" at 308.915,111.15 h7
  text "2018-03-12  V2.0" at 317.398,105.918 h5
  text "G" at 136.042,98.628 h1.5
  text "MO" at 130.81,98.603 h1.5
  text "MI" at 133.375,98.552 h1.5
  text "RES" at 122.453,98.527 h1.5
  text "SCLK" at 127.178,98.45 h1.5
  text "V" at 125.832,98.349 h1.5
  text "+" at 218.937,82.55 h1.8

## Text inside footprints (layer, text, board x,y; h text height)
D1: Bottom Overlay "+" at 224.322,45.669 h2
D2: Bottom Overlay "+" at 213.984,96.114 h2 r180
P2: Top Overlay "1" at 4.724,110.109 h1.8; Top Overlay "8" at 15.621,109.677 h1.8